# Altium PCB 探测器.PcbDoc (part 2 of 4)
Units mil, origin at the board's own origin, x right, y up, seen from the top; angles counter-clockwise.
Board outline 3560.03 x 3943.03 mil, 2 copper layers (Top Layer, Bottom Layer); 122 components, 44 nets, 450 pads, 26 vias.
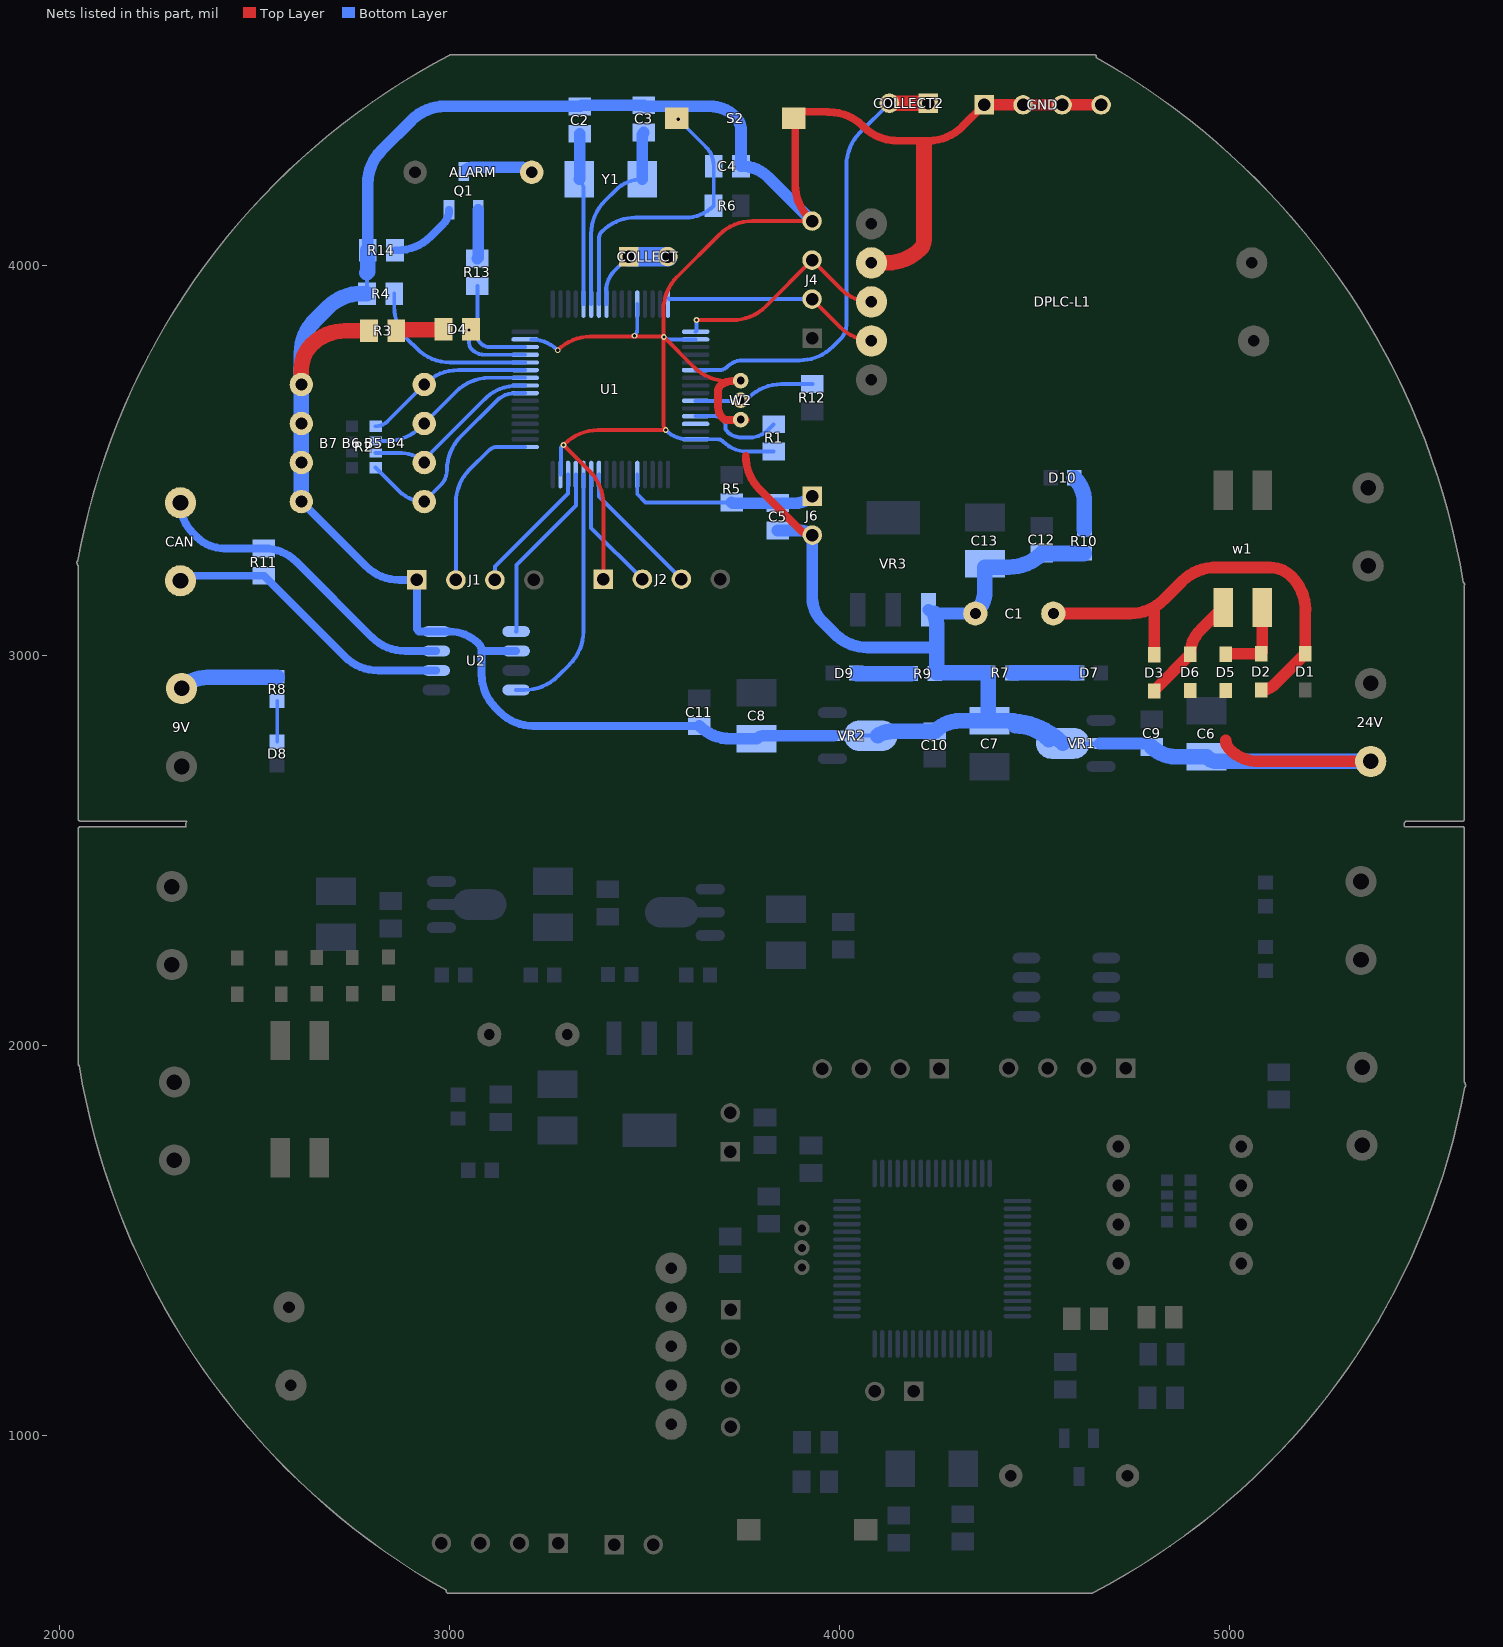
[diagram p2: the nets of this part, all layers, seen from the top]

## Via types
v1: diameter 15, hole 8, Top Layer to Bottom Layer, 16 vias
v2: diameter 137.8, hole 118.11, Top Layer to Bottom Layer, 6 vias
v3: diameter 50, hole 28, Top Layer to Bottom Layer, 2 vias
v4: diameter 30, hole 15, Top Layer to Bottom Layer, 2 vias

## Nets (pads, with @x,y where several pads share a name; then routed paths per layer and width w, separated by ;. In a path a pad name is that pad's centre, name@x,y a point inside that pad or via, vN(x,y) a via of type N, cw(c..) or ccw(c..) an arc to the next point about the centre after c; other vN are vias at no path point) (continued)
GND: 9V.2 24V.2 "B7 B6 B5 B4.5" "B7 B6 B5 B4.6" "B7 B6 B5 B4.7" "B7 B6 B5 B4.8" C1.2 C2.1 C3.1 C4.1 C5.1 C6.2 C7.2 C8.2 C9.1 C10.1 C11.1 C12.2 C13.1 D5.1 D6.1 DPLC-L1.4 GND.1 GND.2 GND.3 GND.4 J1.1 J2.1 J4.4 J6.2 R1.1 R3.1 R4.1 R7.1 R8.1 R9.1 R10.1 R14.2 S2.1 U1.12 U1.18 U1.31 U1.47 U1.63 U2.2 U2.8 VR1.2 VR2.2 VR3.1 W2.1 W2.3 | length 16067
  Top Layer w10: v1(3292.52,3540) 3359.16,3473.36 ; J2.1@3394.52,3196 3394.52,3388 ; v1@3474.52,3818 3362.02,3818 ; v1(3549.52,3817) 3627.16,3739.36 ; W2.3@3759.52,3704 3724.9,3704 3712.52,3704 ; J4.4@3929.52,4114 3776.52,4114 ; 3359.16,3473.36 cw(c3273.81,3388) 3394.52,3388 ; 3359.16,3473.36 cw(c3273.81,3388) 3394.52,3388 ; 3362.02,3818 ccw(c3362.02,3698.5) v1(3277.52,3783) cw(c3362.02,3698.5) 3362.02,3818 ; 3380.52,3578 ccw(c3380.52,3457.29) 3295.16,3542.64 cw(c3380.52,3457.29) 3380.52,3578 ; 3380.52,3578 v1(3554.52,3578) ; v1@3479.35,3818 cw(c3479.35,3824.83) v1(3474.52,3820) ccw(c3479.35,3824.83) v1@3479.35,3818 ; v1@3479.35,3818 v1@3548.52,3818 ; 3548.52,3592.49 ccw(c3569.01,3592.49) v1(3554.52,3578) ; 3548.52,3592.49 ccw(c3569.01,3592.49) v1(3554.52,3578) ; 3548.52,3592.49 v1@3548.52,3818 ; v1@3548.52,3818 3548.52,3886 ; 3548.52,3886 cw(c3669.23,3886) 3583.88,3971.36 ; 3548.52,3886 cw(c3669.23,3886) 3583.88,3971.36 ; 3583.88,3971.36 3691.16,4078.64 ; 3627.16,3739.36 ccw(c3712.52,3824.71) 3712.52,3704 ; 3627.16,3739.36 ccw(c3712.52,3824.71) 3712.52,3704 ; 3691.16,4078.64 cw(c3776.52,3993.29) 3776.52,4114 ; 3691.16,4078.64 cw(c3776.52,3993.29) 3776.52,4114
  Top Layer w20: 3759.52,3512 ccw(c3880.23,3512) 3765.91,3473.24 ; W2.1@3759.52,3604 3712.59,3604 ; J4.4@3929.52,4114 J4.4@3921.88,4121.64 ; GND.1@4370.52,4412 4313.88,4355.36 ; 3688.52,3678.93 cw(c3705.59,3678.93) 3693.52,3691 ; 3688.52,3678.93 cw(c3705.59,3678.93) 3693.52,3691 ; 3688.52,3678.93 3688.52,3637.97 ccw(c3729.49,3637.97) 3696.52,3613.65 ; 3693.52,3691 cw(c3724.9,3659.62) 3724.9,3704 ccw(c3724.9,3659.62) 3693.52,3691 ; 3696.52,3613.65 ccw(c3729.49,3637.97) 3700.52,3609 ; 3696.52,3613.65 ccw(c3729.49,3637.97) 3700.52,3609 ; 3700.52,3609 ccw(c3712.59,3621.07) 3712.59,3604 ; 3700.52,3609 ccw(c3712.59,3621.07) 3712.59,3604 ; 3765.91,3473.24 ccw(c3880.23,3512) 3794.88,3426.64 ; 3765.91,3473.24 ccw(c3880.23,3512) 3794.88,3426.64 ; 3794.88,3426.64 3900.05,3321.47 ; 3886.52,4207 ccw(c4007.23,4207) J4.4@3921.88,4121.64 ; 3886.52,4207 ccw(c4007.23,4207) J4.4@3921.88,4121.64 ; 3886.52,4207 3886.52,4394 3969.11,4394 ; 3900.05,3321.47 ccw(c3930.15,3351.57) J6.2@3930.15,3309 cw(c3930.15,3351.57) 3900.05,3321.47 ; 3969.11,4394 cw(c3969.11,4390.59) 3970.33,4393.77 cw(c3969.11,4390.59) 3971.52,4393 ; 3969.11,4394 cw(c3969.11,4390.59) 3971.52,4393 ; 3971.52,4393 3974.52,4393 ; 3974.52,4393 cw(c3974.52,4272.29) 4059.88,4357.64 ; 3974.52,4393 cw(c3974.52,4272.29) 4059.88,4357.64 ; 4059.88,4357.64 4062.16,4355.36 ; 4062.16,4355.36 ccw(c4147.52,4440.71) 4131.44,4321.08 ; 4062.16,4355.36 ccw(c4147.52,4440.71) 4131.44,4321.08 ; 4131.44,4321.08 ccw(c4147.52,4440.71) 4147.52,4320 ; 4131.44,4321.08 ccw(c4147.52,4440.71) 4147.52,4320 ; 4147.52,4320 4228.52,4320 ; 4228.52,4320 ccw(c4228.52,4440.71) 4313.88,4355.36 ; 4228.52,4320 ccw(c4228.52,4440.71) 4313.88,4355.36
  Top Layer w30: GND.1@4370.52,4412 GND.2@4470.52,4412 GND.3@4570.52,4412 GND.4@4670.52,4412 ; 4989.95,2783.1 ccw(c5022.62,2783.1) 4989.99,2781.53 ; 24V.2@5361.52,2729 5074.36,2729 ; 4989.99,2781.53 ccw(c5022.62,2783.1) 4999.52,2760 ; 4989.99,2781.53 ccw(c5022.62,2783.1) 4999.52,2760 ; 4999.52,2760 ccw(c5074.36,2834.84) 5034.88,2736.64 ; 4999.52,2760 ccw(c5074.36,2834.84) 5034.88,2736.64 ; 5034.88,2736.64 ccw(c5074.36,2834.84) 5074.36,2729 ; 5034.88,2736.64 ccw(c5074.36,2834.84) 5074.36,2729
  Top Layer w40: 2620.52,3695 2620.52,3734.21 ; R3.1@2793.48,3832.37 2731.89,3832.37 ; DPLC-L1.4@4081.52,4007 4121.52,4007 ; 4216.52,4306 4216.52,4065.64 ; 2620.52,3734.21 cw(c2709.34,3734.21) 2646.53,3797.01 ; 2620.52,3734.21 cw(c2709.34,3734.21) 2646.53,3797.01 ; 2646.53,3797.01 cw(c2731.89,3711.66) 2731.89,3832.37 ; 2646.53,3797.01 cw(c2731.89,3711.66) 2731.89,3832.37 ; 4121.52,4007 ccw(c4121.52,4127.71) 4206.88,4042.36 ; 4121.52,4007 ccw(c4121.52,4127.71) 4206.88,4042.36 ; 4206.88,4042.36 ccw(c4183.59,4065.64) 4216.52,4065.64 ; 4206.88,4042.36 ccw(c4183.59,4065.64) 4216.52,4065.64
  Bottom Layer w10: R4.1@2788.48,3928.01 2788.48,3982 ; U2.8@2999.37,3062 3020.52,3062 ; 3074.76,3030.76 3093.52,3012 ; U1.63@3210.64,3810.7 cw(c3210.64,3716.12) v1(3277.52,3783) ; U1.47@3284.57,3464.24 cw(c3284.68,3464.36) 3284.52,3464.36 3285.74,3465.58 3285.74,3533.22 v1(3292.52,3540) ; U1.12@3481.42,3901.25 3481.42,3836.65 ; U1.18@3631.02,3810.7 3564.72,3810.7 ; R1.1@3831.14,3522.96 3764.39,3522.96 ; VR2.2@3985.46,2795 VR2.2@4079.95,2795 VR2.2@4097.49,2795 ; VR1.2@4572.09,2775 VR1.2@4666.58,2775 ; 3481.42,3836.65 cw(c3457.87,3836.65) v1(3474.52,3820) ccw(c3457.87,3836.65) 3481.42,3836.65 ; 3564.72,3810.7 cw(c3564.72,3832.2) v1(3549.52,3817) ccw(c3564.72,3832.2) 3564.72,3810.7 ; U1.31@3610.54,3554.8 cw(c3610.54,3634.02) v1(3554.52,3578) ccw(c3610.54,3634.02) U1.31@3610.54,3554.8 ; U1.31@3610.54,3554.8 U1.31@3631.02,3554.8 3687.53,3554.8 ; 3687.53,3554.8 cw(c3687.53,3535.01) 3701.52,3549 ; 3687.53,3554.8 cw(c3687.53,3535.01) 3701.52,3549 ; 3701.52,3549 ccw(c3764.39,3611.87) 3764.39,3522.96 ; 3701.52,3549 ccw(c3764.39,3611.87) 3764.39,3522.96
  Bottom Layer w20: 2620.52,3395 2786.16,3229.36 ; 3093.52,3012 U2.2@3170.88,3012 ; C11.1@3640.52,2819.96 3214.49,2819.96 ; 2786.16,3229.36 ccw(c2871.52,3314.71) 2871.52,3194 ; 2786.16,3229.36 ccw(c2871.52,3314.71) 2871.52,3194 ; 2871.52,3194 J1.1@2916.52,3194 2916.52,3072.66 ; 2916.52,3072.66 ccw(c2930.18,3072.66) 2920.52,3063 ; 2916.52,3072.66 ccw(c2930.18,3072.66) 2920.52,3063 ; 2920.52,3063 ccw(c2922.93,3065.41) 2922.93,3062 ; 2920.52,3063 ccw(c2922.93,3065.41) 2922.93,3062 ; 2922.93,3062 U2.8@2966.16,3062 U2.8@2999.37,3062 ; U2.8@2999.37,3062 cw(c2999.37,2955.4) 3074.74,3030.78 ccw(c2999.37,2955.4) U2.8@2999.37,3062 ; 3082.52,3012 ccw(c3055.96,3012) 3074.76,3030.76 cw(c3055.96,3012) 3082.52,3012 ; 3082.52,3012 3082.52,2951.93 ccw(c3203.23,2951.93) 3117.88,2866.58 3129.14,2855.32 ; 3129.14,2855.32 ccw(c3214.49,2940.67) 3214.49,2819.96 ; 3129.14,2855.32 ccw(c3214.49,2940.67) 3214.49,2819.96
  Bottom Layer w30: R14.2@2790.48,4039 2790.48,4209.96 ; 3817.46,4226.06 ccw(c3747.56,4156.11) 3798.28,4241 ; 3817.48,4226.04 J4.4@3929.52,4114 ; C5.1@3841.15,3320.96 3901.28,3320.96 ; VR2.2@3985.46,2795 C8.2@3807.05,2795 ; 4238.52,3021 4072.52,3021 ; C1.2@4347.95,3108 4250.88,3108 ; VR1.2@4666.58,2775 C9.1@4778.7,2775 ; 2790.48,4209.96 cw(c2911.19,4209.96) 2825.84,4295.32 ; 2790.48,4209.96 cw(c2911.19,4209.96) 2825.84,4295.32 ; 2825.84,4295.32 2903.2,4372.68 ; 2903.2,4372.68 cw(c2988.56,4287.33) 2988.56,4408.04 ; 2903.2,4372.68 cw(c2988.56,4287.33) 2988.56,4408.04 ; 2988.56,4408.04 C2.1@3334.23,4408.04 ; C2.1@3334.23,4408.04 cw(c3341.47,4400.8) C2.1@3341.47,4411.04 ; C2.1@3334.23,4408.04 cw(c3341.47,4400.8) C2.1@3341.47,4411.04 ; C2.1@3341.47,4411.04 C3.1@3498.23,4411.04 ; C3.1@3498.23,4411.04 ccw(c3505.57,4418.38) C3.1@3505.57,4408 ; C3.1@3498.23,4411.04 ccw(c3505.57,4418.38) C3.1@3505.57,4408 ; C3.1@3505.57,4408 3668.34,4408 ; 3668.34,4408 cw(c3668.34,4315.82) 3709.03,4398.53 ; 3668.34,4408 cw(c3668.34,4315.82) 3709.03,4398.53 ; 3709.03,4398.53 cw(c3668.34,4315.82) 3733.52,4381 cw(c3699.62,4347.1) 3745,4362.56 ; 3720.3,2786.91 cw(c3720.3,2899.74) C11.1@3640.52,2819.96 ccw(c3720.3,2899.74) 3720.3,2786.91 ; 3720.3,2786.91 C8.2@3787.52,2786.91 ; 3745,4362.56 cw(c3699.62,4347.1) 3747.56,4347.1 ; 3745,4362.56 cw(c3699.62,4347.1) 3747.56,4347.1 ; C4.1@3747.56,4255 cw(c3747.56,4156.11) 3798.28,4241 ; C4.1@3747.56,4255 cw(c3747.56,4156.11) 3798.28,4241 ; C4.1@3747.56,4255 3747.56,4347.1 ; C8.2@3787.52,2786.91 cw(c3807.05,2767.39) C8.2@3807.05,2795 ; C8.2@3787.52,2786.91 cw(c3807.05,2767.39) C8.2@3807.05,2795 ; 3901.28,3320.96 cw(c3901.28,3280.13) J6.2@3930.15,3309 ; 3901.28,3320.96 cw(c3901.28,3280.13) J6.2@3930.15,3309 ; J6.2@3930.15,3309 3930.15,3147.83 ccw(c4013.35,3147.83) 3944.72,3100.8 ; 3944.72,3100.8 ccw(c4013.35,3147.83) 3954.52,3089 ; 3944.72,3100.8 ccw(c4013.35,3147.83) 3954.52,3089 ; 3954.52,3089 3987.16,3056.36 ; 3987.16,3056.36 ccw(c4072.52,3141.71) 4001.19,3044.33 ; 3987.16,3056.36 ccw(c4072.52,3141.71) 4001.19,3044.33 ; 4001.19,3044.33 ccw(c4072.52,3141.71) 4072.52,3021 ; 4001.19,3044.33 ccw(c4072.52,3141.71) 4072.52,3021 ; VR3.1@4242.51,3109.1 ccw(c4250.88,3140.26) 4250.88,3108 ; VR3.1@4242.51,3109.1 ccw(c4250.88,3140.26) 4250.88,3108 ; VR3.1@4242.51,3109.1 cw(c4250.88,3140.26) VR3.1@4228.07,3117.45 ccw(c4250.88,3140.26) VR3.1@4242.51,3109.1 ; C9.1@4778.7,2775 cw(c4778.7,2744.14) C9.1@4800.52,2765.96 ccw(c4778.7,2744.14) C9.1@4778.7,2775
  Bottom Layer w40: 9V.2@2303.52,2918 9V.2@2315.52,2918 ; R8.1@2558.52,2944.31 2379.04,2944.31 ; 2620.52,3395 2620.52,3495 2620.52,3595 2620.52,3695 2620.52,3775 ; R4.1@2788.48,3928.01 R4.1@2773.53,3928.01 ; R14.2@2790.48,4039 2790.48,3986.83 ; 4450.8,2820.4 cw(c4450.8,2699.69) VR1.2@4536.16,2785.04 ; VR1.2@4572.09,2775 ccw(c4431.93,2634.84) 4431.93,2833.06 C7.2@4384.52,2833.06 ; 24V.2@5361.52,2729 C6.2@4969.36,2729 ; 9V.2@2315.52,2918 cw(c2379.04,2854.48) 2379.04,2944.31 ; 9V.2@2315.52,2918 cw(c2379.04,2854.48) 2379.04,2944.31 ; 2620.52,3775 cw(c2741.23,3775) 2655.88,3860.36 ; 2620.52,3775 cw(c2741.23,3775) 2655.88,3860.36 ; 2655.88,3860.36 2688.17,3892.65 ; 2688.17,3892.65 cw(c2773.53,3807.3) R4.1@2773.53,3928.01 ; 2688.17,3892.65 cw(c2773.53,3807.3) R4.1@2773.53,3928.01 ; 2790.48,3986.83 cw(c2783.65,3986.83) 2790.46,3986.36 cw(c2783.65,3986.83) 2788.49,3982.01 ccw(c2783.65,3986.83) 2790.48,3986.83 ; VR2.2@4136.73,2806.04 ccw(c4136.73,2730.79) 4097.49,2795 cw(c4136.73,2730.79) VR2.2@4136.73,2806.04 ; VR2.2@4136.73,2806.04 C10.1@4244.52,2806.04 ; C10.1@4244.52,2806.04 cw(c4309.74,2740.82) 4309.74,2833.06 ; C10.1@4244.52,2806.04 cw(c4309.74,2740.82) 4309.74,2833.06 ; 4248.66,3082.2 ccw(c4186.72,3082.2) 4242.51,3109.1 cw(c4186.72,3082.2) 4248.66,3082.2 ; 4248.66,3082.2 4248.66,2956 R7.1@4381.21,2956 C7.2@4381.21,2841.06 ; 4309.74,2833.06 C7.2@4384.52,2833.06 ; 4372.52,3167.32 cw(c4288.63,3167.32) C1.2@4347.95,3108 ccw(c4288.63,3167.32) 4372.52,3167.32 ; 4372.52,3167.32 4372.52,3227 4434.12,3227 ; C7.2@4381.21,2841.06 ccw(c4392.52,2841.06) C7.2@4384.52,2833.06 ; C7.2@4381.21,2841.06 ccw(c4392.52,2841.06) C7.2@4384.52,2833.06 ; 4434.12,3227 ccw(c4434.12,3346.36) C12.2@4518.52,3261.96 ; 4434.12,3227 ccw(c4434.12,3346.36) C12.2@4518.52,3261.96 ; C12.2@4518.52,3261.96 R10.1@4625.77,3261.96 ; R10.1@4625.77,3261.96 ccw(c4625.77,3264.44) R10.1@4627.52,3262.69 cw(c4625.77,3264.44) R10.1@4625.77,3261.96 ; 4860.91,2740.95 cw(c4860.91,2826.35) C9.1@4800.52,2765.96 ccw(c4860.91,2826.35) 4860.91,2740.95 ; 4860.91,2740.95 C6.2@4940.52,2740.95 ; C6.2@4940.52,2740.95 ccw(c4969.36,2769.79) C6.2@4969.36,2729 ; C6.2@4940.52,2740.95 ccw(c4969.36,2769.79) C6.2@4969.36,2729
NetC1_1: C1.1 D1.1 D2.2 D3.2 | length 1560
  Top Layer w20: 5104.35,2921.83 cw(c5080.95,2945.24) D2.2@5094.51,2915.05 ; D2.2@5094.51,2915.05 cw(c5080.95,2945.24) D2.2@5080.95,2912.14 ccw(c5080.95,2945.24) D2.2@5094.51,2915.05
  Top Layer w30: C1.1@4547.95,3108 4745.52,3108 ; D3.2@4806.52,3002.46 4806.52,3115.59 ; 5194.52,3121 5194.52,3118.95 ; 4745.52,3108 ccw(c4745.52,3228.71) 4830.88,3143.36 ; 4745.52,3108 ccw(c4745.52,3228.71) 4830.88,3143.36 ; 4806.52,3115.59 ccw(c4803.11,3115.59) 4805.52,3118 cw(c4803.11,3115.59) 4806.52,3115.59 ; 4830.88,3143.36 4878.16,3190.64 ; 4878.16,3190.64 cw(c4963.52,3105.29) 4952.56,3225.5 ; 4878.16,3190.64 cw(c4963.52,3105.29) 4952.56,3225.5 ; 4952.56,3225.5 cw(c4963.52,3105.29) 4963.52,3226 ; 4952.56,3225.5 cw(c4963.52,3105.29) 4963.52,3226 ; 4963.52,3226 5102.89,3226 ; 5102.89,3226 cw(c5102.89,3147.22) 5158.59,3202.93 ; 5102.89,3226 cw(c5102.89,3147.22) 5158.59,3202.93 ; 5115.24,2926.34 cw(c5080.95,2960.63) D2.2@5080.95,2912.14 ccw(c5080.95,2960.63) 5115.24,2926.34 ; 5115.24,2926.34 D1.1@5193.95,3005.05 5193.95,3117.57 ; 5158.59,3202.93 cw(c5073.24,3117.57) 5193.95,3117.57 ; 5158.59,3202.93 cw(c5073.24,3117.57) 5193.95,3117.57 ; 5193.95,3117.57 ccw(c5192.57,3118.95) 5194.52,3118.93 ; 5193.95,3117.57 ccw(c5192.57,3118.95) 5194.52,3118.95
NetC2_2: C2.2 U1.5 Y1.2 | length 472.8
  Bottom Layer w10: U1.5@3343.62,3901.25 Y1.2@3343.62,4195.28 ; Y1.2@3343.62,4195.28 ccw(c3306.71,4195.28) Y1.2@3332.81,4221.38 cw(c3306.71,4195.28) Y1.2@3343.62,4195.28
  Bottom Layer w30: C2.2@3334.23,4337.96 Y1.2@3334.23,4224.79 ; Y1.2@3334.23,4224.79 cw(c3329.39,4224.79) Y1.2@3332.81,4221.38 ccw(c3329.39,4224.79) Y1.2@3334.23,4224.79
NetC3_2: C3.2 U1.6 Y1.1 | length 691.3
  Bottom Layer w10: U1.6@3363.31,3901.25 3363.31,4080.79 ; 3363.31,4080.79 cw(c3484.02,4080.79) 3398.66,4166.14 ; 3363.31,4080.79 cw(c3484.02,4080.79) 3398.66,4166.14 ; 3398.66,4166.14 3425.38,4192.86 ; 3425.38,4192.86 cw(c3494.23,4124.01) Y1.1@3494.23,4221.38 ccw(c3494.23,4124.01) 3425.38,4192.86
  Bottom Layer w30: Y1.1@3494.23,4221.38 C3.2@3494.23,4331.3 ; C3.2@3494.23,4331.3 cw(c3507.88,4331.3) C3.2@3498.23,4340.96 ccw(c3507.88,4331.3) C3.2@3494.23,4331.3
NetC4_2: C4.2 R6.2 S2.2 U1.7 | length 1070.8
  Top Layer w10: v1(3586.52,4375) S2.2@3586.52,4394
  Bottom Layer w10: U1.7@3382.99,3901.25 3382.99,4067.91 ; v1(3586.52,4375) 3656.95,4304.57 ; R6.2@3677.56,4153 3677.56,4203 3677.48,4203.08 ; 3382.99,4067.91 cw(c3410.9,4067.91) 3391.16,4087.64 ; 3382.99,4067.91 cw(c3410.9,4067.91) 3391.16,4087.64 ; 3391.16,4087.64 cw(c3476.52,4002.29) 3408.48,4102 ; 3391.16,4087.64 cw(c3476.52,4002.29) 3408.48,4102 ; 3408.48,4102 cw(c3476.52,4002.29) 3476.52,4123 ; 3408.48,4102 cw(c3476.52,4002.29) 3476.52,4123 ; 3476.52,4123 3605.05,4123 ; 3605.05,4123 ccw(c3605.05,4225.43) R6.2@3676.47,4152 ; 3605.05,4123 ccw(c3605.05,4225.43) R6.2@3676.47,4152 ; 3656.95,4304.57 cw(c3607.37,4255) C4.2@3677.48,4255 ; 3656.95,4304.57 cw(c3607.37,4255) C4.2@3677.48,4255 ; R6.2@3676.47,4152 ccw(c3605.05,4225.43) R6.2@3677.48,4153 ; R6.2@3676.47,4152 ccw(c3605.05,4225.43) R6.2@3677.48,4153 ; R6.2@3677.48,4153 3677.48,4203.08 ; 3677.48,4203.08 C4.2@3677.48,4255 ; C4.2@3677.48,4255 cw(c3677.29,4254.81) 3677.56,4254.81 ccw(c3677.29,4254.81) C4.2@3677.48,4255
NetC5_2: C5.2 J6.1 R5.1 U1.37 | length 566.3
  Bottom Layer w10: U1.37@3481.42,3464.24 3481.42,3414.06 3502.52,3392.96 R5.1@3723.15,3392.96
  Bottom Layer w30: R5.1@3727.79,3391.04 cw(c3727.79,3397.6) R5.1@3723.15,3392.96 ccw(c3727.79,3397.6) R5.1@3727.79,3391.04 ; R5.1@3727.79,3391.04 C5.2@3841.15,3391.04 3886.79,3391.04 ; 3886.79,3391.04 ccw(c3886.79,3452.36) J6.1@3930.15,3409 cw(c3886.79,3452.36) 3886.79,3391.04
NetD2_1: D2.1 D5.2 w1.3 | length 222.2
  Top Layer w10: D5.2@4989.95,3003.46 D5.2@4993.52,3003.46
  Top Layer w30: w1.3@5083.52,3124 D2.1@5083.52,3011.26 ; D5.2@4997.38,3005.05 ccw(c4997.38,2999.6) 4993.52,3003.46 cw(c4997.38,2999.6) D5.2@4997.38,3005.05 ; D5.2@4997.38,3005.05 D2.1@5080.95,3005.05 ; D2.1@5080.95,3005.05 ccw(c5074.75,3011.26) D2.1@5083.52,3011.26 ; D2.1@5080.95,3005.05 ccw(c5074.75,3011.26) D2.1@5083.52,3011.26
NetD3_1: D3.1 D6.2 w1.4 | length 352.1
  Top Layer w30: D3.1@4806.52,2909.54 cw(c4810.1,2909.54) 4807.57,2912.07 D6.2@4898.95,3003.46 ; w1.4@4983.52,3124 4924.39,3064.87 ; D6.2@4898.95,3003.46 cw(c4985.8,3003.46) 4924.39,3064.87 ; D6.2@4898.95,3003.46 cw(c4985.8,3003.46) 4924.39,3064.87
NetD4_K: D4.K R3.2 | length 128.7
  Top Layer w40: D4.K@2984.52,3835 R3.2@2869.91,3835 ; R3.2@2869.91,3835 ccw(c2869.91,3826.02) R3.2@2863.56,3832.37 cw(c2869.91,3826.02) R3.2@2869.91,3835
NetD7_K: D7.K R7.2 | length 167.4
  Bottom Layer w40: R7.2@4441.84,2956 D7.K@4609.21,2956
NetD8_K: D8.K R8.2 | length 104.4
  Bottom Layer w10: D8.K@2558.52,2779.31 R8.2@2558.52,2883.68
NetD9_K: D9.K R9.2 | length 140.6
  Bottom Layer w40: D9.K@4042.83,2955 ccw(c4045.25,2957.41) 4045.25,2954 R9.2@4183.2,2954
NetD10_K: D10.K R10.2 | length 208.4
  Bottom Layer w40: R10.2@4627.52,3323.32 4627.52,3393.99 ; 4627.52,3393.99 ccw(c4539.82,3393.99) D10.K@4601.83,3456 cw(c4539.82,3393.99) 4627.52,3393.99
NetJ7_1: CAN.1 R11.2 U2.6 | length 899.9
  Bottom Layer w20: CAN.1@2307.52,3182 cw(c2362.95,3126.57) CAN.1@2319.79,3192.01 ; U2.6@2966.16,2962 2817.48,2962 ; CAN.1@2341.78,3204.96 ccw(c2341.78,3160.75) CAN.1@2310.52,3192.01 cw(c2341.78,3160.75) CAN.1@2341.78,3204.96 ; CAN.1@2341.78,3204.96 R11.2@2524.52,3204.96 2732.12,2997.36 ; 2732.12,2997.36 ccw(c2817.48,3082.71) 2817.48,2962 ; 2732.12,2997.36 ccw(c2817.48,3082.71) 2817.48,2962
NetJ7_2: CAN.2 R11.1 U2.7 | length 1086
  Bottom Layer w20: CAN.2@2310.52,3392.01 ccw(c2421.6,3392.01) 2343.05,3313.47 2352.52,3304 ; U2.7@2966.16,3012 2886.52,3012 ; 2352.52,3304 ccw(c2422.44,3373.92) 2422.44,3275.04 ; 2352.52,3304 ccw(c2422.44,3373.92) 2422.44,3275.04 ; 2422.44,3275.04 R11.1@2524.52,3275.04 ; R11.1@2524.52,3275.04 cw(c2524.52,3156.84) 2608.1,3240.42 ; R11.1@2524.52,3275.04 cw(c2524.52,3156.84) 2608.1,3240.42 ; 2608.1,3240.42 2801.16,3047.36 ; 2801.16,3047.36 ccw(c2886.52,3132.71) 2886.52,3012 ; 2801.16,3047.36 ccw(c2886.52,3132.71) 2886.52,3012
NetQ1_1: Q1.1 R13.2 | length 131.8
  Bottom Layer w30: Q1.1@3073.92,4142.8 R13.2@3073.92,4023.84 ; R13.2@3073.92,4023.84 cw(c3065.72,4023.84) R13.2@3071.52,4018.04 ccw(c3065.72,4023.84) R13.2@3073.92,4023.84
NetQ1_2: Q1.2 R14.1 | length 281.4
  Bottom Layer w20: R14.1@2860.56,4039 R14.1@2866.52,4039 ; Q1.2@2999.12,4142.8 cw(c2947.94,4142.8) 2984.13,4106.61 2951.88,4074.36 ; R14.1@2866.52,4039 ccw(c2866.52,4159.71) 2951.88,4074.36 ; R14.1@2866.52,4039 ccw(c2866.52,4159.71) 2951.88,4074.36
NetQ1_3: ALARM.2 Q1.3 | length 244.7
  Bottom Layer w30: 3062.54,4252 ccw(c3062.54,4215.2) Q1.3@3036.52,4241.22 cw(c3062.54,4215.2) 3062.54,4252 ; 3062.54,4252 3179.74,4252 ; 3179.74,4252 cw(c3179.74,4207.62) ALARM.2@3211.13,4239 ccw(c3179.74,4207.62) 3179.74,4252
NetR2_5: "B7 B6 B5 B4.4" R2.5 U1.59 | length 564.3
  Bottom Layer w10: U1.59@3194.02,3731.96 3022.48,3731.96 ; 2841.28,3600.76 cw(c2810.84,3631.2) R2.5@2810.84,3588.15 ccw(c2810.84,3631.2) 2841.28,3600.76 ; 2841.28,3600.76 2935.52,3695 2937.12,3696.6 ; 2937.12,3696.6 cw(c3022.48,3611.25) 3022.48,3731.96 ; 2937.12,3696.6 cw(c3022.48,3611.25) 3022.48,3731.96
NetR2_6: "B7 B6 B5 B4.3" R2.6 U1.58 | length 630.9
  Bottom Layer w10: R2.6@2810.84,3550.75 2841.27,3550.75 ; 3101.24,3712.28 3102.8,3712.28 ; U1.58@3194.02,3712.28 3102.8,3712.28 ; 2841.27,3550.75 ccw(c2841.27,3671.46) 2926.62,3586.1 ; 2841.27,3550.75 ccw(c2841.27,3671.46) 2926.62,3586.1 ; 2926.62,3586.1 2935.52,3595 3017.44,3676.92 ; 3017.44,3676.92 cw(c3102.8,3591.57) 3101.24,3712.27 ; 3017.44,3676.92 cw(c3102.8,3591.57) 3101.25,3712.27 ; 3101.25,3712.27 cw(c3102.8,3591.57) 3102.8,3712.28 ; 3101.25,3712.27 cw(c3102.8,3591.57) 3102.8,3712.28
NetR2_7: "B7 B6 B5 B4.2" R2.7 U1.57 | length 645.2
  Bottom Layer w10: R2.7@2810.84,3519.25 2876.97,3519.25 ; U1.57@3194.02,3692.59 U1.57@3175.11,3692.59 ; 2876.97,3519.25 cw(c2876.97,3436.45) 2935.5,3495.02 ; 2876.97,3519.25 cw(c2876.97,3436.45) 2935.5,3495.02 ; 2935.52,3495 cw(c2954.83,3495) 2941.18,3508.66 ; 2935.52,3495 cw(c2954.83,3495) 2941.18,3508.66 ; 2941.18,3508.66 3089.75,3657.23 ; 3089.75,3657.23 cw(c3175.11,3571.88) 3119.58,3679.06 ; 3089.75,3657.23 cw(c3175.11,3571.88) 3119.58,3679.06 ; 3119.58,3679.06 cw(c3175.11,3571.88) U1.57@3175.11,3692.59 ; 3119.58,3679.06 cw(c3175.11,3571.88) U1.57@3175.11,3692.59
NetR2_8: "B7 B6 B5 B4.1" R2.8 U1.56 | length 826.1
  Bottom Layer w10: R2.8@2810.84,3481.85 2870.93,3421.75 ; U1.56@3194.02,3672.91 U1.56@3168.58,3672.91 ; 2870.93,3421.75 ccw(c2935.52,3486.34) 2935.52,3395 ; 2870.93,3421.75 ccw(c2935.52,3486.34) 2935.52,3395 ; 2935.52,3395 2977.26,3436.74 ; 2977.26,3436.74 ccw(c2937.99,3476) 2993.52,3476 ; 2977.26,3436.74 ccw(c2937.99,3476) 2993.52,3476 ; 2993.52,3476 cw(c3114.23,3476) 3028.88,3561.36 ; 2993.52,3476 cw(c3114.23,3476) 3028.88,3561.36 ; 3028.88,3561.36 3120.52,3653 ; 3120.52,3653 cw(c3168.58,3604.94) U1.56@3168.58,3672.91 ; 3120.52,3653 cw(c3168.58,3604.94) U1.56@3168.58,3672.91
NetR4_2: R4.2 U1.60 | length 636.4
  Bottom Layer w10: R4.2@2858.56,3928.01 2858.56,3894.96 ; U1.60@3194.02,3751.65 3001.87,3751.65 ; 2858.56,3894.96 ccw(c2979.27,3894.96) 2893.92,3809.6 ; 2858.56,3894.96 ccw(c2979.27,3894.96) 2893.92,3809.6 ; 2893.92,3809.6 2916.52,3787 ; 2916.52,3787 ccw(c3001.87,3872.36) 3001.87,3751.65 ; 2916.52,3787 ccw(c3001.87,3872.36) 3001.87,3751.65
PA6: COLLECT2.1 COLLECT2.2 U1.22 | length 1416.7
  Top Layer w40: COLLECT2.2@4127.52,4416 COLLECT2.1@4227.52,4416
  Bottom Layer w10: U1.22@3631.02,3731.96 3690.28,3731.96 ccw(c3690.28,3766.24) 3690.48,3731.96 ccw(c3690.28,3766.24) 3714.52,3742 ; COLLECT2.2@4122.52,4416 COLLECT2.2@4127.52,4416 4052.88,4341.36 ; 3714.52,3742 cw(c3750.73,3705.79) 3750.73,3757 ; 3714.52,3742 cw(c3750.73,3705.79) 3750.73,3757 ; 3750.73,3757 3897.52,3757 ; 3897.52,3757 ccw(c3897.52,3877.71) 3955.8,3772 ; 3897.52,3757 ccw(c3897.52,3877.71) 3955.8,3772 ; 3955.8,3772 ccw(c3897.52,3877.71) 3982.88,3792.36 ; 3955.8,3772 ccw(c3897.52,3877.71) 3982.88,3792.36 ; 3982.88,3792.36 4003.52,3813 ; 4003.52,3813 ccw(c3969.72,3846.8) 4017.52,3846.8 ; 4003.52,3813 ccw(c3969.72,3846.8) 4017.52,3846.8 ; 4017.52,3846.8 4017.52,4256 ; 4017.52,4256 cw(c4138.23,4256) 4052.88,4341.36 ; 4017.52,4256 cw(c4138.23,4256) 4052.88,4341.36
PA9: J2.3 U1.42 | length 355.9
  Bottom Layer w10: U1.42@3382.99,3464.24 3382.99,3407.53 J2.3@3594.52,3196
PA10: J2.2 U1.43 | length 322.6
  Bottom Layer w10: U1.43@3363.31,3464.24 3363.31,3327.21 J2.2@3494.52,3196
PA11: U1.44 U2.4 | length 845
  Bottom Layer w10: U2.4@3170.88,2912 U2.4@3192.52,2912 ; U1.44@3343.62,3464.24 3343.62,3063.1 ; U2.4@3192.52,2912 ccw(c3192.52,3032.71) 3277.88,2947.36 ; U2.4@3192.52,2912 ccw(c3192.52,3032.71) 3277.88,2947.36 ; 3277.88,2947.36 3308.27,2977.75 ; 3308.27,2977.75 ccw(c3222.91,3063.1) 3343.62,3063.1 ; 3308.27,2977.75 ccw(c3222.91,3063.1) 3343.62,3063.1
PA12: U1.45 U2.1 | length 466
  Bottom Layer w10: U2.1@3170.88,3062 3171.52,3062 3171.52,3232.58 3323.94,3385 U1.45@3323.94,3464.24
PA13: J1.3 U1.46 | length 348
  Bottom Layer w10: J1.3@3116.52,3194 3116.52,3228.27 3304.25,3416 U1.46@3304.25,3464.24
PA14: J1.2 U1.49 | length 579.3
  Bottom Layer w10: J1.2@3016.52,3194 3016.52,3392 ; U1.49@3194.02,3535.11 3123.93,3535.11 ; 3016.52,3392 cw(c3137.23,3392) 3051.88,3477.36 ; 3016.52,3392 cw(c3137.23,3392) 3051.88,3477.36 ; 3051.88,3477.36 3099.52,3525 ; 3099.52,3525 cw(c3123.93,3500.59) 3123.93,3535.11 ; 3099.52,3525 cw(c3123.93,3500.59) 3123.93,3535.11
PB0: R12.1 U1.26 W2.2 | length 408.8
  Bottom Layer w10: U1.26@3631.02,3653.22 W2.2@3757.64,3653.22 ; R12.1@3930.52,3696.04 3851.56,3696.04 ; W2.2@3757.64,3653.22 ccw(c3757.64,3655.88) W2.2@3759.52,3654 ; W2.2@3757.64,3653.22 ccw(c3757.64,3655.88) W2.2@3759.52,3654 ; W2.2@3759.52,3654 3766.2,3660.68 ; 3766.2,3660.68 cw(c3851.56,3575.33) 3851.56,3696.04 ; 3766.2,3660.68 cw(c3851.56,3575.33) 3851.56,3696.04
PB2: R1.2 U1.28 | length 376.8
  Bottom Layer w10: U1.28@3631.02,3613.85 3681.57,3613.85 ; 3712.52,3574 3711.06,3575.46 cw(c3719.59,3584) 3707.52,3584 3707.52,3589.1 ; R1.2@3831.14,3593.04 R1.2@3818.02,3579.92 ; 3681.57,3613.85 cw(c3681.57,3587.05) 3700.52,3606 ; 3681.57,3613.85 cw(c3681.57,3587.05) 3700.52,3606 ; 3700.52,3606 cw(c3683.62,3589.1) 3707.52,3589.1 ; 3700.52,3606 cw(c3683.62,3589.1) 3707.52,3589.1 ; 3733.1,3561.44 cw(c3748.73,3610.21) 3712.53,3573.99 ccw(c3748.73,3610.21) 3733.1,3561.44 ; 3733.1,3561.44 ccw(c3748.73,3610.21) 3748.73,3559 ; 3733.1,3561.44 ccw(c3748.73,3610.21) 3748.73,3559 ; 3748.73,3559 3767.52,3559 ; 3767.52,3559 ccw(c3767.52,3630.41) 3785.09,3561.2 ; 3767.52,3559 ccw(c3767.52,3630.41) 3785.09,3561.2 ; 3785.09,3561.2 ccw(c3767.52,3630.41) R1.2@3818.02,3579.92 ; 3785.09,3561.2 ccw(c3767.52,3630.41) R1.2@3818.02,3579.92
PB8: D4.A U1.61 | length 232.7
  Top Layer w10: D4.A@3055.04,3835 D4.A@3055.04,3837 D4.A@3055.04,3835
  Bottom Layer w10: v1(3050.52,3835) 3050.52,3801.9 ccw(c3074.42,3801.9) 3057.52,3785 ; U1.61@3194.02,3771.33 3090.52,3771.33 ; 3057.52,3785 ccw(c3090.52,3818) 3090.52,3771.33 ; 3057.52,3785 ccw(c3090.52,3818) 3090.52,3771.33
PB9: R13.1 U1.62 | length 314.5
  Bottom Layer w10: R13.1@3071.52,3947.96 3071.52,3820.31 ; U1.62@3194.02,3791.02 3103.62,3791.02 ; 3071.52,3820.31 ccw(c3098.83,3820.31) 3079.52,3801 ; 3071.52,3820.31 ccw(c3098.83,3820.31) 3079.52,3801 ; 3079.52,3801 ccw(c3103.62,3825.1) 3103.62,3791.02 ; 3079.52,3801 ccw(c3103.62,3825.1) 3103.62,3791.02
PB10: U1.29
PC0: COLLECT.1 COLLECT.2 U1.8 | length 315.7
  Bottom Layer w10: U1.8@3402.68,3901.25 3402.68,3947.97 ; COLLECT.1@3459.52,4023 3423.26,3986.74 ; 3402.68,3947.97 cw(c3476.23,3933.77) 3423.26,3986.74 ; 3402.68,3947.97 ccw(c3476.23,3933.77) 3401.32,3933.77 cw(c3476.23,3933.77) 3402.68,3947.97 ; 3402.68,3947.97 cw(c3476.23,3933.77) 3423.26,3986.74
  Bottom Layer w50: COLLECT.1@3459.52,4023 COLLECT.2@3559.52,4023
RX1: DPLC-L1.3 J4.3 U1.17 | length 763.3
  Top Layer w10: v1(3633.52,3860) 3725.52,3860 ; 3725.52,3860 ccw(c3725.52,3980.71) 3810.88,3895.36 ; 3725.52,3860 ccw(c3725.52,3980.71) 3810.88,3895.36 ; 3810.88,3895.36 J4.3@3929.52,4014 4004.7,3938.82 ; 4004.7,3938.82 ccw(c4081.52,4015.64) DPLC-L1.3@4081.52,3907 cw(c4081.52,4015.64) 4004.7,3938.82
  Bottom Layer w10: v1(3633.52,3860) 3633.52,3836.41 ; 3633.52,3836.41 cw(c3625,3836.41) U1.17@3631.02,3830.39 ccw(c3625,3836.41) 3633.52,3836.41
TX1: DPLC-L1.2 J4.2 U1.16 | length 667.8
  Top Layer w10: J4.2@3929.52,3914 4001.16,3842.36 ; DPLC-L1.2@4089.52,3807 DPLC-L1.2@4086.52,3807 ; 4001.16,3842.36 ccw(c4086.52,3927.71) DPLC-L1.2@4081.41,3807.11 ; 4001.16,3842.36 ccw(c4086.52,3927.71) DPLC-L1.2@4081.41,3807.11 ; DPLC-L1.2@4081.41,3807.11 ccw(c4086.52,3927.71) DPLC-L1.2@4086.52,3807 ; DPLC-L1.2@4081.41,3807.11 ccw(c4086.52,3927.71) DPLC-L1.2@4086.52,3807
  Bottom Layer w10: J4.2@3929.52,3914 3566.35,3914 ; 3566.35,3914 cw(c3566.35,3920.83) 3561.52,3916 ccw(c3566.35,3920.83) 3566.35,3914
pads on no net: 9V_1.1 9V_1.2 24V_1.1 24V_1.2 "B7 B6 B5 B4_1.1" "B7 B6 B5 B4_1.2" "B7 B6 B5 B4_1.3" "B7 B6 B5 B4_1.4" "B7 B6 B5 B4_1.5" "B7 B6 B5 B4_1.6" "B7 B6 B5 B4_1.7" "B7 B6 B5 B4_1.8" ALARM_1.1 ALARM_1.2 C1_1.1 C1_1.2 C2_1.1 C2_1.2 C3_1.1 C3_1.2 C4_1.1 C4_1.2 C5_1.1 C5_1.2 C6_1.1 C6_1.2 C7_1.1 C7_1.2 C8_1.1 C8_1.2 C9_1.1 C9_1.2 C10_1.1 C10_1.2 C11_1.1 C11_1.2 C12_1.1 C12_1.2 C13_1.1 C13_1.2 CAN_1.1 CAN_1.2 COLLECT2_1.1 COLLECT2_1.2 COLLECT_1.1 COLLECT_1.2 D1_1.1 D1_1.2 D2_1.1 D2_1.2 D3_1.1 D3_1.2 D4_1.A D4_1.K D5_1.1 D5_1.2 D6_1.1 D6_1.2 D7_1.A D7_1.K D8_1.A D8_1.K D9_1.A D9_1.K D10_1.A D10_1.K DC+_1.1 DC+_1.2 DPLC-L1.5 DPLC-L1_1.1 DPLC-L1_1.2 DPLC-L1_1.3 DPLC-L1_1.4 DPLC-L1_1.5 DPLC-L1_1.6 DPLC-L1_1.7 GND_1.1 GND_1.2 GND_1.3 GND_1.4 J1_1.1 J1_1.2 J1_1.3 J1_1.4 J2_1.1 J2_1.2 J2_1.3 J2_1.4 J4_1.1 J4_1.2 J4_1.3 J4_1.4 J6_1.1 J6_1.2 Q1_1.1 Q1_1.2 Q1_1.3 R1_1.1 R1_1.2 R2_1.1 R2_1.2 R2_1.3 R2_1.4 R2_1.5 R2_1.6 R2_1.7 R2_1.8 R3_1.1 R3_1.2 R4_1.1 R4_1.2 R5_1.1 R5_1.2 R6_1.1 R6_1.2 R7_1.1 R7_1.2 R8_1.1 R8_1.2 R9_1.1 R9_1.2 R10_1.1 R10_1.2 R11_1.1 R11_1.2 R12_1.1 R12_1.2 R13_1.1 R13_1.2 R14_1.1 R14_1.2 S2_1.1 S2_1.2 U1.2 U1.3 U1.4 U1.9 U1.10 U1.11 U1.14 U1.15 U1.20 U1.21 U1.23 U1.24 U1.25 U1.27 U1.30 U1.33 U1.34 U1.35 U1.36 U1.38 U1.39 U1.40 U1.41 U1.50 U1.51 U1.52 U1.53 U1.54 U1.55 U1_1.1 U1_1.2 U1_1.3 U1_1.4 U1_1.5 U1_1.6 U1_1.7 U1_1.8 U1_1.9 U1_1.10 U1_1.11 U1_1.12 U1_1.13 U1_1.14 U1_1.15 U1_1.16 U1_1.17 U1_1.18 U1_1.19 U1_1.20 U1_1.21 U1_1.22 U1_1.23 U1_1.24 U1_1.25 U1_1.26 U1_1.27 U1_1.28 U1_1.29 U1_1.30 U1_1.31 U1_1.32 U1_1.33 U1_1.34 U1_1.35 U1_1.36 U1_1.37 U1_1.38 U1_1.39 U1_1.40 U1_1.41 U1_1.42 U1_1.43 U1_1.44 U1_1.45 U1_1.46 U1_1.47 U1_1.48 U1_1.49 U1_1.50 U1_1.51 U1_1.52 U1_1.53 U1_1.54 U1_1.55 U1_1.56 U1_1.57 U1_1.58 U1_1.59 U1_1.60 U1_1.61 U1_1.62 U1_1.63 U1_1.64 U2.5 U2_1.1 U2_1.2 U2_1.3 U2_1.4 U2_1.5 U2_1.6 U2_1.7 U2_1.8 VR1_1.1 VR1_1.2 VR1_1.3 VR2_1.1 VR2_1.2 VR2_1.3 VR3_1.1 VR3_1.2 VR3_1.3 w1_1.1 w1_1.2 w1_1.3 w1_1.4 W2_1.1 W2_1.2 W2_1.3 Y1_1.1 Y1_1.2